# Altium PCB NAVISMINI.PcbDoc (part 3 of 3)
Units mm, origin at the board's own origin, x right, y up, seen from the top; angles counter-clockwise.
Board outline 112.9 x 55.9 mm, 2 copper layers (Top Layer, Bottom Layer); 137 components, 104 nets, 651 pads, 1057 vias.
Unrouted connection lines stored in the file: 57.
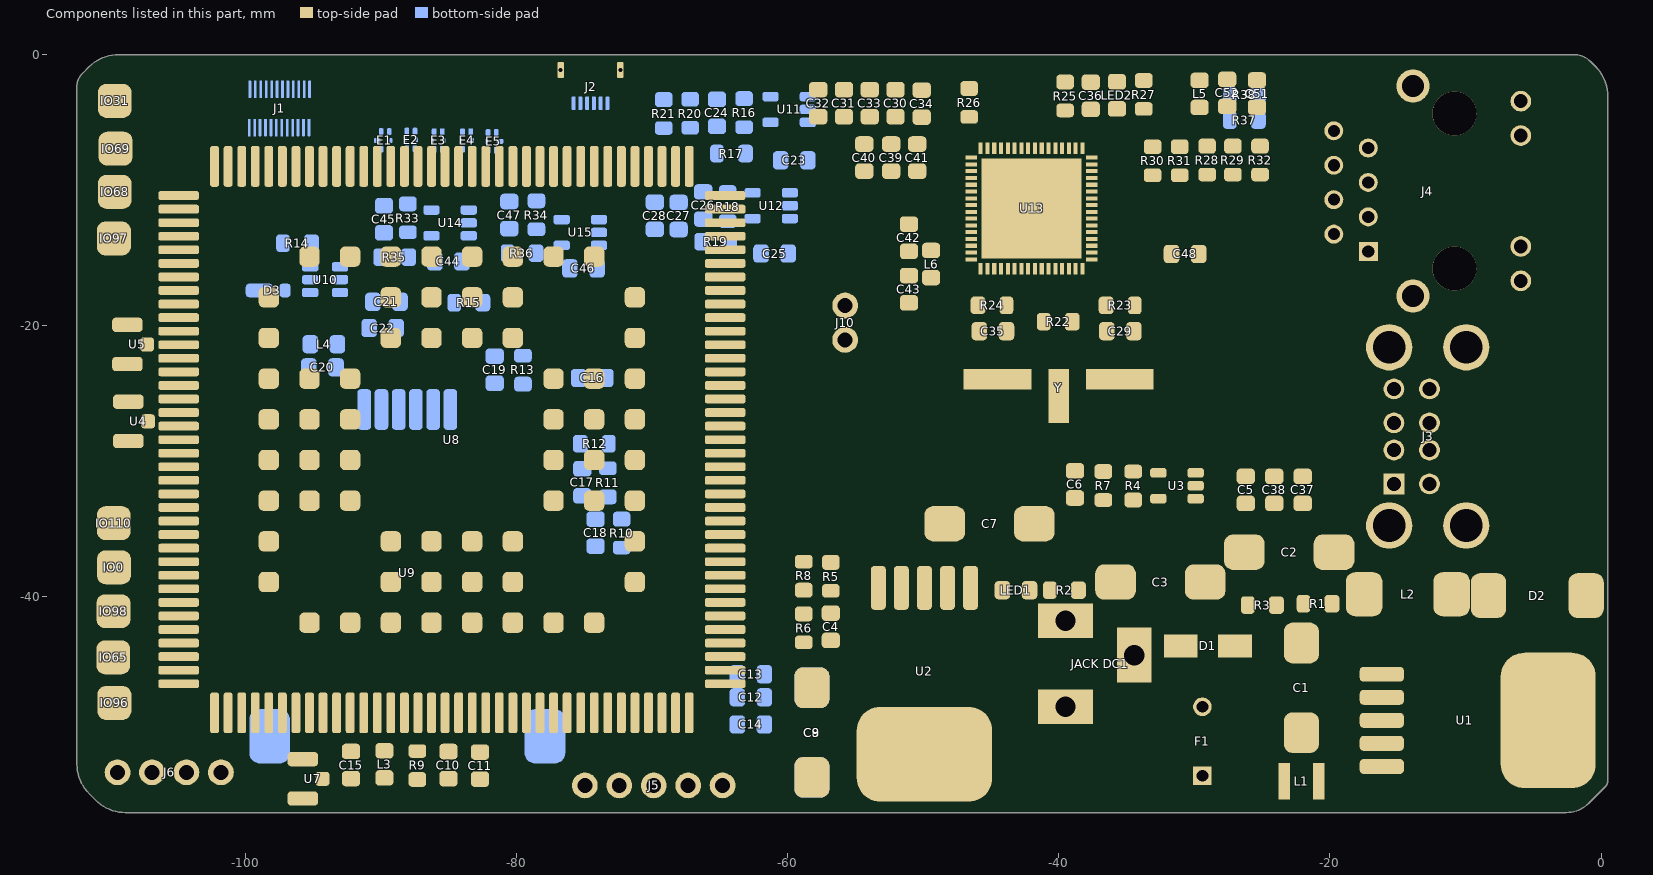
[diagram p3: the components of this part, seen from the top]

## Silkscreen, mask and mechanical layers (free items; w line width, h text height) (continued)
Bottom Overlay:
  text "24" at -102.268,-2.961 h0.5
  text "13" at -93.103,-3.135 h0.5
  text "1" at -77.5,-4.282 h0.5
  text "6" at -71.592,-4.31 h0.5
  text "12" at -93.029,-5.759 h0.5
  text "1" at -101.827,-5.865 h0.5

## Text inside footprints (layer, text, board x,y; h text height)
D2: Top Overlay "A" at 0.192,-42.722 h0.5 r180; Top Overlay "K" at -8.9,-42.4 h0.5 r180
J3: Mechanical 13 "PCB EDGE" at 0.235,-20.731 h0.61 r90